# Altium PCB cheriot-test.PcbDoc (part 2 of 10) (continued)
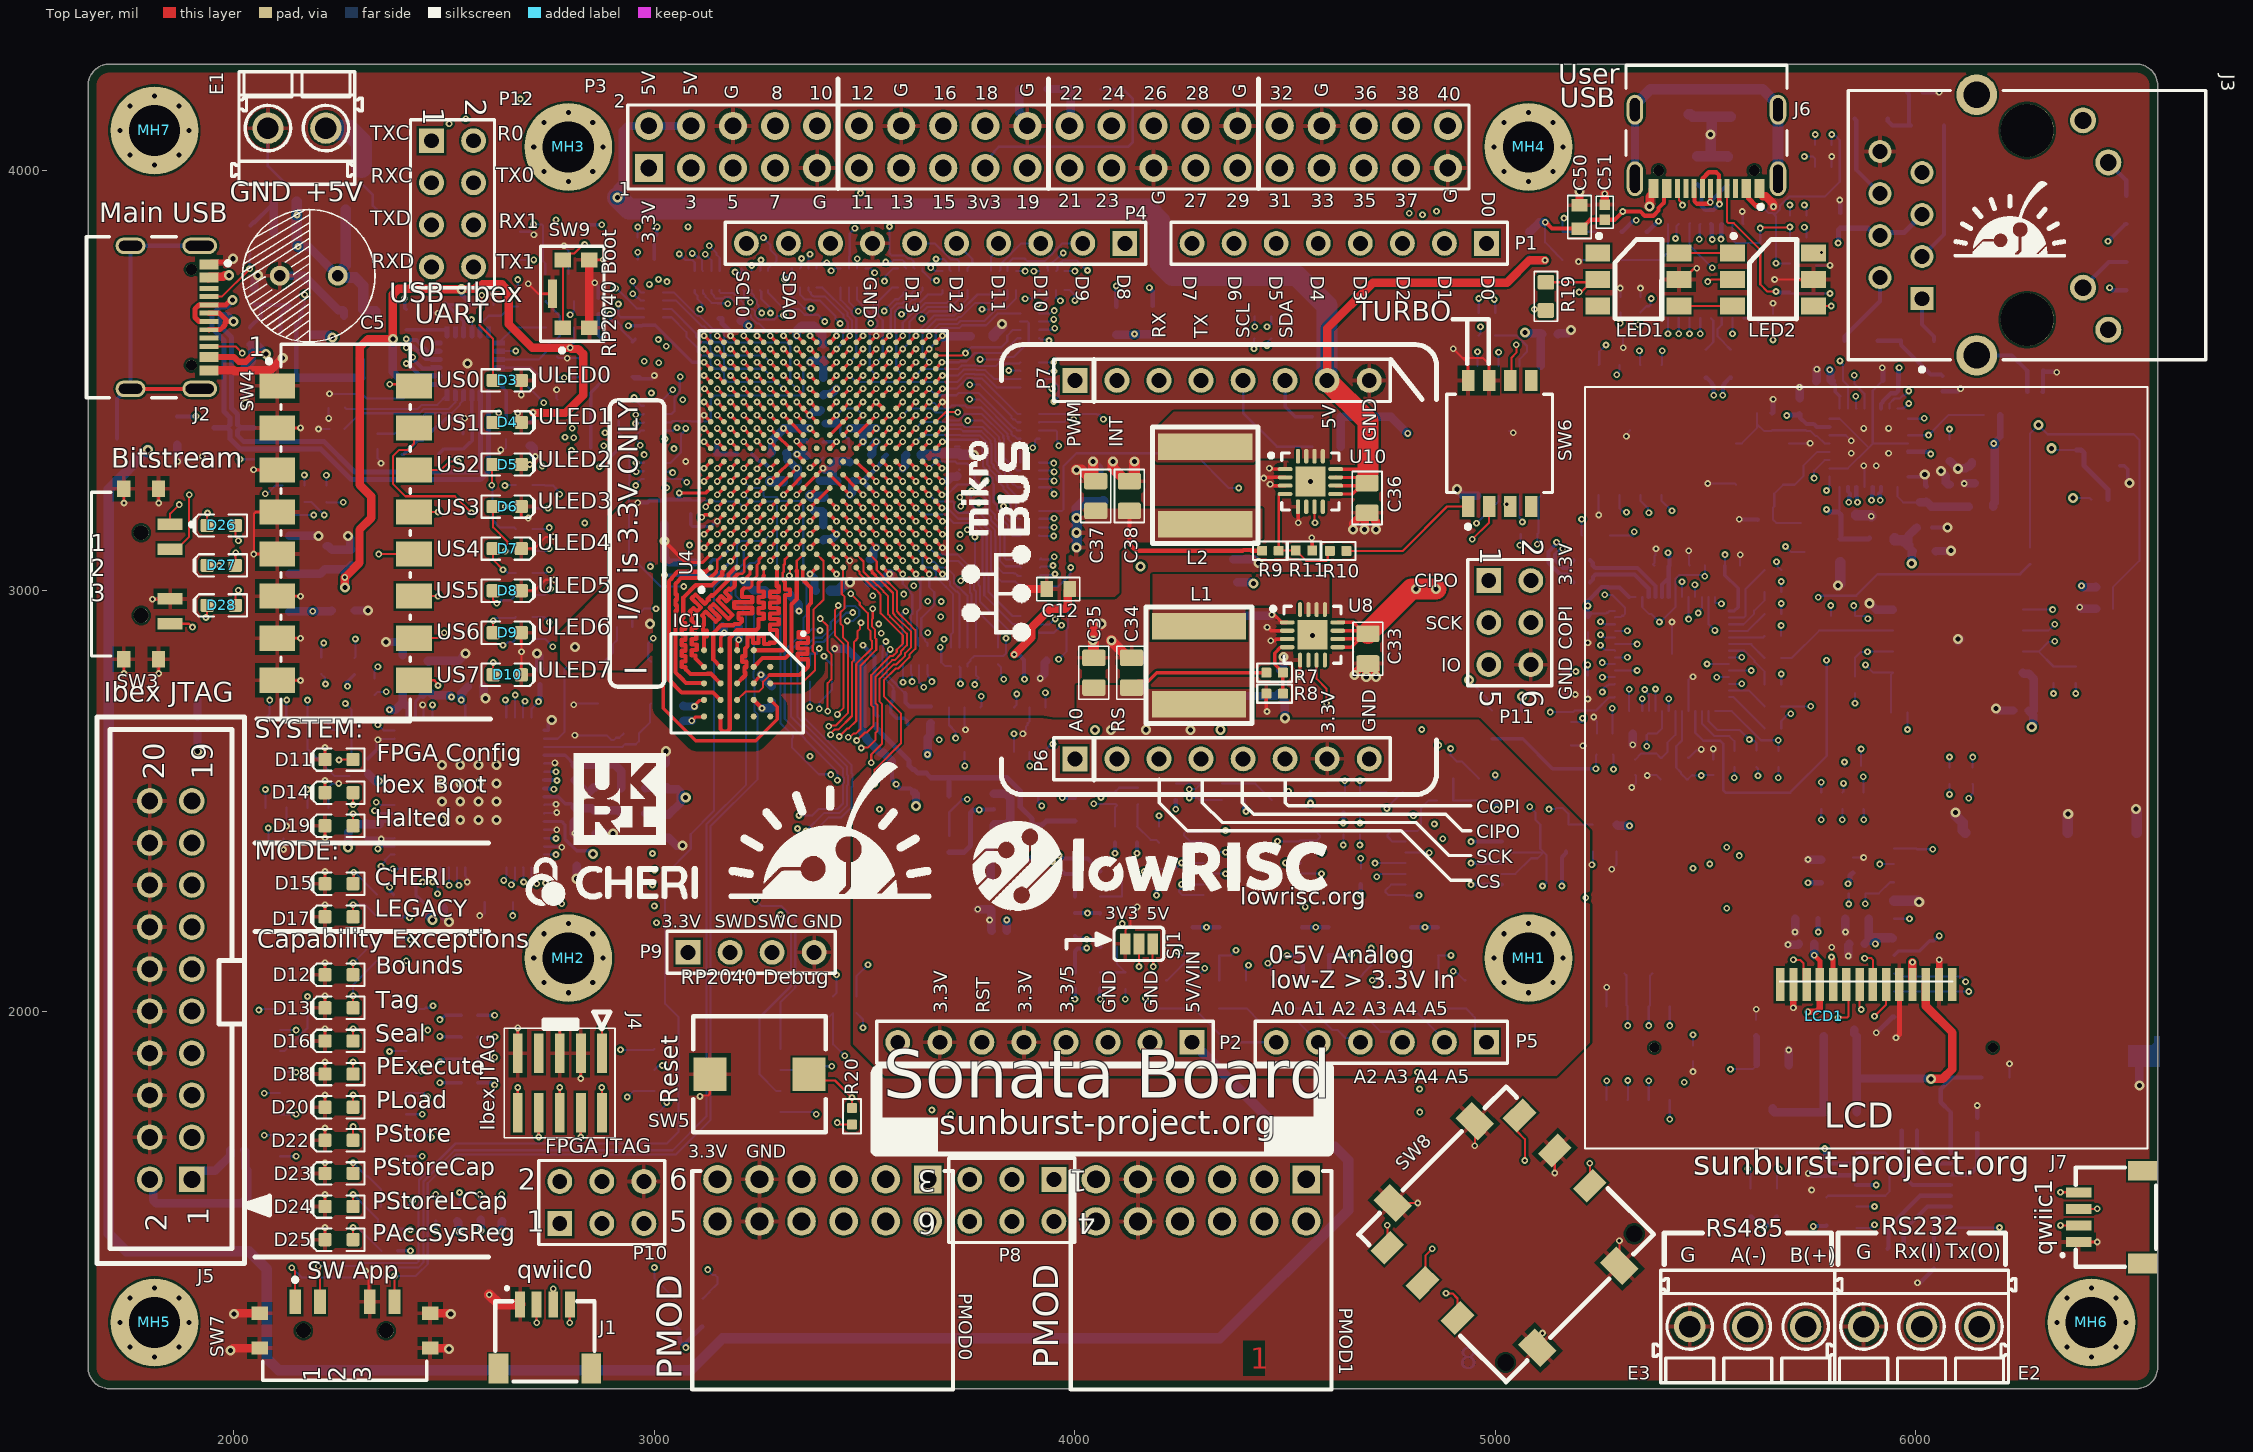
[diagram p0: Top Layer view]
## Part data (continued)
R31: library part RCHIP-1K5-0603, "1k5 res, 0603, 1%, 1/10W", Case-EIA=0603, Case-Metric=1608, Manufacture 1=Yageo, Manufacture Part Number 1=RC0603FR-071K5L, Rated Power=0.1W, Rated Voltage=75VDC, Supplier Part Number 1=311-1.50KHRCT-ND, Temperature Range="-55C to 155C", Tolerance=1%, Component Group=Resistor, Component Type=Standard, Mounting Technology=SMT, Part Number=RCHIP-1K5-0603, Pin Count=2, Supplier 1=Digi-Key
R33 R82: library part RCHIP-10R-0603, "10R res, 0603, 1%, 1/10W", Case-EIA=0603, Case-Metric=1608, Manufacture 1=Yageo, Manufacture Part Number 1=RC0603FR-0710RL, Rated Power=0.1W, Rated Voltage=75VDC, Supplier Part Number 1=311-10.0HRCT-ND, Temperature Range="-55C to 155C", Tolerance=1%, Component Group=Resistor, Component Type=Standard, Mounting Technology=SMT, Part Number=RCHIP-10R-0603, Pin Count=2, Supplier 1=Digi-Key
R37 R129: library part RCHIP-2K7-0402, "2k7 res, 0402, 1%, 1/16W", Case-EIA=0402, Case-Metric=1005, Manufacture 1=Yageo, Manufacture Part Number 1=RC0402FR-072K7L, Rated Power=0.063W, Rated Voltage=75VDC, Supplier Part Number 1=311-2.70KLRCT-ND, Temperature Range="-55C to 155C", Tolerance=1%, Component Group=Resistor, Component Type=Standard, Mounting Technology=SMT, Part Number=RCHIP-2K7-0402, Pin Count=2, Supplier 1=Digi-Key
R38 R42 R53 R80 R88 R95 R102 R109 R116 R138 R139 R140 R141 R142 R143 R144 R145 R146 R147 R148 R149 R150 R151 R152 R153 R154 R155 R156 R157 R158 R159 R192 R200 R201 R202 R210: library part RCHIP-1K-0402, "1k res, 0402, 1%, 1/16W", Case-EIA=0402, Case-Metric=1005, Manufacture 1=Yageo, Manufacture Part Number 1=RC0402FR-071KL, Rated Power=0.063W, Rated Voltage=75VDC, Supplier Part Number 1=311-1.00KLRCT-ND, Temperature Range="-55C to 155C", Tolerance=1%, Component Group=Resistor, Component Type=Standard, Mounting Technology=SMT, Part Number=RCHIP-1K-0402, Pin Count=2, Supplier 1=Digi-Key
R40: library part RCHIP-120R-0603, "120R res, 0603, 1%, 1/10W", Case-EIA=0603, Case-Metric=1608, Manufacture 1=Yageo, Manufacture Part Number 1=RC0603FR-07120RL, Rated Power=0.1W, Rated Voltage=75VDC, Supplier Part Number 1=311-120HRCT-ND, Temperature Range="-55C to 155C", Tolerance=1%, Component Group=Resistor, Component Type=Standard, Mounting Technology=SMT, Part Number=RCHIP-120R-0603, Pin Count=2, Supplier 1=Digi-Key
R43: library part RCHIP-12K-0603, "12k res, 0603, 1%, 1/10W", Case-EIA=0603, Case-Metric=1608, Manufacture 1=Yageo, Manufacture Part Number 1=RC0603FR-0712KL, Rated Power=0.1W, Rated Voltage=75VDC, Supplier Part Number 1=311-12.0KHRCT-ND, Temperature Range="-55C to 155C", Tolerance=1%, Component Group=Resistor, Component Type=Standard, Mounting Technology=SMT, Part Number=RCHIP-12K-0603, Pin Count=2, Supplier 1=Digi-Key
R47 R48 R49 R50 R51 R52 R55 R57 R59 R60 R61 R63 R65 R66 R68 R69 R70 R168 R169 R171 R186 R187: library part RCHIP-22R-0402, "22R res, 0402, 1%, 1/16W", Case-EIA=0402, Case-Metric=1005, Manufacture 1=Yageo, Manufacture Part Number 1=RC0402FR-0722RL, Rated Power=0.063W, Rated Voltage=75VDC, Supplier Part Number 1=311-22.0LRCT-ND, Temperature Range="-55C to 155C", Tolerance=1%, Component Group=Resistor, Component Type=Standard, Mounting Technology=SMT, Part Number=RCHIP-22R-0402, Pin Count=2, Supplier 1=Digi-Key
R56 R58: library part RCHIP-27R-0402, "27R res, 0402, 1%, 1/16W", Case-EIA=0402, Case-Metric=1005, Manufacture 1=Yageo, Manufacture Part Number 1=RC0402FR-0727RL, Rated Power=0.063W, Rated Voltage=75VDC, Supplier Part Number 1=YAG3086CT-ND, Temperature Range="-55C to 155C", Tolerance=1%, Component Group=Resistor, Component Type=Standard, Mounting Technology=SMT, Part Number=RCHIP-27R-0402, Pin Count=2, Supplier 1=Digi-Key
R73 R74 R193 R203: library part RCHIP-DNM-0402, Case-EIA=0402, Case-Metric=1005, Component Group=Resistor, Component Type=Standard, Part Number=RCHIP-DNM-0402, Pin Count=2
R76 R87 R94 R101 R108 R115: library part RCHIP-150K-0603, "150k res, 0603, 1%, 1/10W", Case-EIA=0603, Case-Metric=1608, Manufacture 1=Yageo, Manufacture Part Number 1=RC0603FR-07150KL, Rated Power=0.1W, Rated Voltage=75VDC, Supplier Part Number 1=311-150KHRCT-ND, Temperature Range="-55C to 155C", Tolerance=1%, Component Group=Resistor, Component Type=Standard, Mounting Technology=SMT, Part Number=RCHIP-150K-0603, Pin Count=2, Supplier 1=Digi-Key
R77 R83 R89 R97 R104 R111: library part RCHIP-1k-0603, "1k res, 0603, 1%, 1/10W", Case-EIA=0603, Case-Metric=1608, Manufacture 1=Yageo, Manufacture Part Number 1=RC0603FR-071KL, Part Number=RCHIP-1K-0603, Rated Power=0.1W, Rated Voltage=75VDC, Supplier Part Number 1=311-1.00KHRCT-ND, Temperature Range="-55C to 155C", Tolerance=1%, Component Group=Resistor, Component Type=Standard, Mounting Technology=SMT, Pin Count=2, Supplier 1=Digi-Key
R78 R85 R92 R99 R106 R113: library part RCHIP-2K-0402, "2k res, 0402, 1%, 1/16W", Case-EIA=0402, Case-Metric=1005, Manufacture 1=Yageo, Manufacture Part Number 1=RC0402FR-072KL, Rated Power=0.063W, Rated Voltage=75VDC, Supplier Part Number 1=311-2KLRCT-ND, Temperature Range="-55C to 155C", Tolerance=1%, Component Group=Resistor, Component Type=Standard, Mounting Technology=SMT, Part Number=RCHIP-2K-0402, Pin Count=2, Supplier 1=Digi-Key
R79 R86 R93 R100 R107 R114: library part RCHIP-180R-0402, "180R res, 0402, 1%, 1/16W", Case-EIA=0402, Case-Metric=1005, Manufacture 1=Yageo, Manufacture Part Number 1=RC0402FR-07180RL, Rated Power=0.063W, Rated Voltage=75VDC, Supplier Part Number 1=311-180LRCT-ND, Temperature Range="-55C to 155C", Tolerance=1%, Component Group=Resistor, Component Type=Standard, Mounting Technology=SMT, Part Number=RCHIP-180R-0402, Pin Count=2, Supplier 1=Digi-Key
R81 R90 R96 R103 R110 R117: library part RCHIP-845R-0402, "845R res, 0402, 1%, 1/16W", Case-EIA=0402, Case-Metric=1005, Manufacture 1=Yageo, Manufacture Part Number 1=RC0402FR-07845RL, Rated Power=0.063W, Rated Voltage=75VDC, Supplier Part Number 1=YAG3244CT-ND, Temperature Range="-55C to 155C", Tolerance=1%, Component Group=Resistor, Component Type=Standard, Mounting Technology=SMT, Part Number=RCHIP-845R-0402, Pin Count=2, Supplier 1=Digi-Key
R125 R126 R127 R128: library part RCHIP-2K2-0603, "2k2 res, 0603, 1%, 1/10W", Case-EIA=0603, Case-Metric=1608, Manufacture 1=Yageo, Manufacture Part Number 1=RC0603FR-072K2L, Rated Power=0.1W, Rated Voltage=75VDC, Supplier Part Number 1=311-2.20KHRCT-ND, Temperature Range="-55C to 155C", Tolerance=1%, Component Group=Resistor, Component Type=Standard, Mounting Technology=SMT, Part Number=RCHIP-2K2-0603, Pin Count=2, Supplier 1=Digi-Key
R130 R131 R132: library part RCHIP-75R-0805, "75R res, 0805, 1%, 1/8W", Case-EIA=0805, Manufacture 1=Yageo, Manufacture Part Number 1=RC0805FR-0775RL, Rated Power=0.125W, Rated Voltage=75VDC, Supplier Part Number 1=311-75.0CRCT-ND, Temperature Range="-55C to 155C", Tolerance=1%, Component Group=Resistor, Component Type=Standard, Mounting Technology=SMT, Part Number=RCHIP-75R-0805, Pin Count=2, Supplier 1=Digi-Key
R167: library part RCHIP-3K01-0402, "3k01 res, 0402, 1%, 1/16W", Case-EIA=0402, Case-Metric=1005, Manufacture 1=Yageo, Manufacture Part Number 1=RC0402FR-073K01L, Rated Power=0.063W, Rated Voltage=75VDC, Supplier Part Number 1=311-3.01KLRCT-ND, Temperature Range="-55C to 155C", Tolerance=1%, Component Group=Resistor, Component Type=Standard, Mounting Technology=SMT, Part Number=RCHIP-3K01-0402, Pin Count=2, Supplier 1=Digi-Key
R170 R172 R173 R174 R175 R176 R177 R178 R179 R180 R181 R182 R183 R184 R185 R188 R189 R190 R191 R194: library part 741C083330JP, "33-ohm, 0.5mm res array", Manufacture 1=CTS, Supplier Part Number 1=741C083330JPCT-ND, Component Group=Resistor, Component Type=Standard, Manufacture Part Number 1=741C083330JP, Mounting Technology=SMT, Part Number=741C083330JP, Pin Count=8, PP Material Stack=0, PP Rotation=0, PP Rotation1=0, Supplier 1=Digi-Key
R195: library part RCHIP-0R-0402, "2 ohm", Case-EIA=0402, Case-Metric=1005, Manufacture 1=Yageo, Manufacture Part Number 1=RC0402FR-070RL, Supplier Part Number 1=311-0.0LRCT-ND, Component Group=Resistor, Component Type=Standard, Part Number=RCHIP-0R-0402, Pin Count=2, Supplier 1=Digi-Key
R196 R197 R198 R204: library part RCHIP-49R9-0805, "49r9 res, 0805, 1%, 1/8W", Case-EIA=0805, Case-Metric=2012, Manufacture 1=Yageo, Manufacture Part Number 1=RC0805FR-0749R9L, Rated Power=0.125W, Rated Voltage=75VDC, Supplier Part Number 1=311-49.9CRCT-ND, Temperature Range="-55C to 155C", Tolerance=1%, Component Group=Resistor, Component Type=Standard, Mounting Technology=SMT, Part Number=RCHIP-49R9-0805, Pin Count=2, RoHS=Yes, Supplier 1=Digi-Key
R206 R207: library part RCHIP-1K8-0603, "1k8 res, 0603, 1%, 1/10W", Case-EIA=0603, Case-Metric=1608, Manufacture 1=Yageo, Manufacture Part Number 1=RC0603FR-071K8L, Rated Power=0.1W, Rated Voltage=75VDC, Supplier Part Number 1=311-1.80KHRCT-ND, Temperature Range="-55C to 155C", Tolerance=1%, Component Group=Resistor, Component Type=Standard, Mounting Technology=SMT, Part Number=RCHIP-1K8-0603, Pin Count=2, Supplier 1=Digi-Key
R212: library part RCHIP-10K-0603, "10k res, 0603, 1%, 1/10W", Case-EIA=0603, Case-Metric=1608, Manufacture 1=Yageo, Manufacture Part Number 1=RC0603FR-0710KL, Rated Power=0.1W, Rated Voltage=75VDC, Supplier Part Number 1=311-10.0KHRCT-ND, Temperature Range="-55C to 155C", Tolerance=1%, Component Group=Resistor, Component Type=Standard, Mounting Technology=SMT, Part Number=RCHIP-10K-0603, Pin Count=2, Supplier 1=Digi-Key
SD1: library part CMP-2000-05150-1, "Micro SD Card Connector, 0.5 A, 125 V, -25 to 85 degC, 8-Pin SMD, RoHS, Tape and Reel", Manufacturer="Hirose Electric", Package Description="8-Pin Surface Mount Device, Body 16.15 x 13.85 mm, Pitch 1.1 mm", Package Reference=DM3AT-8, Standard Package=1, Card Type=SecureDigital-microSD™, Category=Connectors,Interconnects, Connector Type=ConnectorandEjector, Contact Finish=Gold, Contact Finish Thickness=-, Datasheet URL=https://ciiva.com/datasheet-click-46418261?src=ciiva&sig=4019062a, Datasheet Version=Jun-10, Ejector Side=-, Family=MemoryConnectors-PCCardSockets, Featured Product=DM3ATSeries, Features=Switch, Height Above Board="0.066\"(1.68mm)", HTML Datasheet=DM3SeriesmicroSD.html, Insertion, Removal Method=PushIn,PushOut, Manufacturer URL=https://www.hirose.com, Mounting Feature=Normal,Standard-Top, Mounting Type=SurfaceMount,RightAngle, Number of Positions=10(8+2), Online Catalog=DM3Series, Other Names=HR1964DKR, Package URL=https://www.hirose.com/product/en/download_file/key_name/DM3/category/Catalog/doc_file_id/49662/?file_category_id=4&item_id=195&is_series=1, Packaging=Digi-Reel, Product Training Modules=DM3SeriesmicroSDCardSockets, Series=DM3
SJ1: library part SJ_3S_12JMP, "Solder Jumper, NC", Component Group="PCB Feature", Component Type="Standard (No BOM)", Mounting Technology=COPPER, Part Number=SJ_3S_12JMP, Pin Count=3
SJ2: library part SJ_2S_NO, "Solder Jumper, NO", Component Group="PCB Feature", Component Type="Standard (No BOM)", Mounting Technology=COPPER, Part Number=SJ_2S_NO, Pin Count=2
SW1 SW6: library part CMP-07018-000008-1, "SWITCH SLIDE DIP SPST 25MA 24V", Current Rating=25mA, Max Operating Temperature=85°C, Max Voltage Rating (DC)=24V, Min Operating Temperature=-55°C, Package Quantity=2000, Actuator Type="Slide (Standard)", Contact Material=Copper, Contact Plating=Gold, Depth=8.44mm, Electrical Life=1000Cycles, Lead Free="Lead Free", Length=0.246inch, Max Current Rating=25mA, Mechanical Life=1000Cycles, Mount="Surface Mount", Number of Positions=4, Orientation=Straight, Packaging="Tape and Reel", Pitch=0.05inch, Radiation Hardening=No, RoHS Compliant=Yes, Series=218, Termination="Gull Wing", Throw Configuration=SPST, Voltage Rating (DC)=24V, Washable=Yes
SW2: library part CMP-07018-000007-1, "SWITCH SLIDE DIP SPST 25MA 24V", Contact Resistance=100mR, Current Rating=25mA, Max Operating Temperature=85°C, Max Voltage Rating (DC)=24V, Min Operating Temperature=-55°C, Package Quantity=40, Actuator Type="Slide (Standard)", Contact Material=Copper, Contact Plating=Gold, Depth=8.44mm, Electrical Life=1000Cycles, Height=2.65mm, Lead Free="Lead Free", Length=0.446inch, Max Current Rating=25mA, Mount="Surface Mount", Number of Positions=8, Orientation=Straight, Packaging=Rail/Tube, Pitch=0.05inch, Radiation Hardening=No, RoHS Compliant=Yes, Series=218, Terminal Pitch=1.27mm, Termination="Gull Wing", Throw Configuration=SPST, Voltage Rating (DC)=24V, Washable=Yes
SW3 SW7: library part CMP-71745-000014-1, "SWITCH SLIDE SP3T 300MA 4V", Current Rating=300mA, Max Operating Temperature=70°C, Max Voltage Rating (DC)=20V, Min Operating Temperature=-20°C, Voltage Rating (DC)=4V, Actuator Length=1.5mm, Actuator Material=Nylon, Actuator Type=Standard, Contact Material="Copper Alloy", Contact Plating=Gold, Contact Style=Non-Shorting, Electrical Life=10000Cycles, Mount="Surface Mount", Orientation="Right Angle", Packaging="Tape and Reel", Radiation Hardening=No, RoHS Compliant=Yes, Series=CUS, Switch Function=On-On-On, Switch Travel=1.5mm, Termination="Gull Wing", Throw Configuration=SP3T
SW4: library part CMP-03400-000015-1, "SWITCH SLIDE DIP SPST 100MA 24V", Contact Current Rating=100mA, Contact Resistance=50mΩ, Current Rating=1A, Manufacturer="TE Connectivity", Package=0, Temperature="-30°C to +85°C", Temperature Range High=+85°C, Temperature Range Low=-30°C, Voltage Rating Dc=24V, Automotive=No, Category=Switch, ComponentLink2Description=Datasheet, ComponentLink2URL=https://www.te.com/commerce/DocumentDelivery/DDEController?Action=showdoc&DocId=Customer+Drawing%7F1825058%7FS5%7Fpdf%7FEnglish%7FENG_CD_1825058_S5.pdf%7F1-1825058-9, Device Class L1=Electromechanical, Device Class L2=Switches, Device Class L3="DIP Switches", Digikey Description="SWITCH SLIDE DIP SPST 100MA 24V", Electromechanical Life=1000Cycles, Height=5.1mm, Lead Free=Yes, Manufacturer Part Number=1-1825058-9, Mount="Surface Mount", Number Of Circuits=8, Octopart=https://octopart.com/1-1825058-9-te+connectivity-46507285, RoHS=TRUE, Throw Configuration=SPST
SW5: "Pushbutton, SMD, 2.5NM force, NO", Manufacture 1=Panasonic, Supplier Part Number 1=P16856CT-ND, Component Group=Switch, Component Type=Standard, Manufacture Part Number 1=EVP-ASDC1A, Mounting Technology=SMT, Part Number=EVP-ASDC1A, Pin Count=2, Supplier 1=Digi-Key
SW8: "5-Way Joystick", Manufacture 1=TE, Component Group=Switch, Component Type=Standard, Manufacture Part Number 1=2425755-1, Part Number=2425755-1, Pin Count=10, PP Material Stack=0, PP Rotation=0, PP Rotation1=0, Supplier 1=Digi-Key
SW9: library part CMP-10040-000023-1, "SWITCH TACTILE SPST-NO 0.05A 32V", Contact Current Rating=50mA, Max Operating Temperature=85°C, Max Voltage Rating (DC)=32V, Min Operating Temperature=-40°C, Operating Force=1.2N, Package Quantity=1, Power Rating=1W, Actuator Length=0.5mm, Actuator Type=Standard, Contact Material=Silver, Contact Plating=Silver, Current Rating=50mA, Depth=4.6mm, Illumination Type=Non-Illuminated, Lead Free="Lead Free", Length=2.8mm, Max Current Rating=50mA, Mechanical Life=200000Cycles, Mount="Surface Mount", Orientation=Straight, Packaging="Tape and Reel", Radiation Hardening=No, REACH SVHC="No SVHC", Switch Function=Off-Mom, Switch Travel=0.2mm, Termination="Gull Wing", Throw Configuration=SPST, Voltage Rating (DC)=32V, Width=2.8mm
U1: "USB 2.0 high-speed ESD", Supplier Part Number 1=568-7445-1-ND, Component Group=Diode, Component Type=Standard, Part Number=PRTR5V0U2AX, Pin Count=4, Supplier 1=Digi-Key
U2: "IC REG LIN POS 3.3V 800MA SOT223", Manufacture 1=STMicroelectronics, Manufacture Part Number 1=LD1117S33TR, Rated Voltage=15V, Supplier Part Number 1=497-1242-1-ND, Component Group="Analog IC", Component Type=Standard, Mounting Technology=SMT, Part Number=LD1117S33, Pin Count=3, PP Material Stack=0, PP Rotation=0, RoHS=Yes, Supplier 1=Digi-Key
U3: library part ISL83485I, "IC TXRX RS422/RS485", Manufacture 1=Renesas, Supplier Part Number 1=ISL83485IBZ-TCT-ND, Component Group="Digital IC", Component Type=Standard, Manufacture Part Number 1=ISL83485IBZ-T, Mounting Technology=SMT, Part Number=ISL83485I, Pin Count=8, RoHS=Yes, Supplier 1=Digi-Key
U4: library part CMP-0383-00012-1, "Artix-7 FPGA, 210 User I/Os, 0 GTP, 324-Ball BGA, Speed Grade 1, Commercial Grade, Pb-Free", Manufacturer=Xilinx, Operating Temperature Range=Commercial, Available User I/O=210, CMTs=5, ComponentLink1Description="Manufacturer URL", ComponentLink1URL=http://www.xilinx.com/, ComponentLink2Description=Datasheet, ComponentLink2URL=http://www.xilinx.com/support/documentation/data_sheets/ds180_7Series_Overview.pdf, ComponentLink3Description=Pinout, ComponentLink3URL=http://www.xilinx.com/support/documentation/user_guides/ug475_7Series_Pkg_Pinout.pdf, ComponentLink4Description="Package Specification", ComponentLink4URL=http://www.xilinx.com/support/documentation/user_guides/ug475_7Series_Pkg_Pinout.pdf, DatasheetVersion="Rev. 1.15", GTP=0, Logic Cells=33280, Maximum Distributed RAM="400 Kb", Mounting Technology="Surface Mount", PackageDescription="324-Ball Wire-Bond Chip-Scale BGA, Body 15 x 15 mm, Pitch 0.8 mm", PackageReference=CSG-324, PackageVersion="Rev. 1.11", PartNumber=XC7A35T-1CSG324C, Speed Grades=1, Total Block RAM="1800 Kb"
U5: library part CMP-0078-00002-3, "Quad High Speed USB To Multipurpose UART/MPSSE IC, 64-pin QFN, Tray", Manufacturer=FTDI, ComponentLink1Description="Manufacturer URL", ComponentLink1URL=http://www.ftdichip.com/, ComponentLink2Description=Datasheet, ComponentLink2URL=http://www.ftdichip.com/Support/Documents/DataSheets/ICs/DS_FT4232H.pdf, DatasheetVersion="ver 2.2, Jan-2012", PackageDescription="64-Pin Quad Flat No-Lead, 9 x 9 mm Body, 0.5 mm Pitch, 4.35 x 4.35 mm Exposed Pad", PackageReference=QFN64_2, PackageVersion=Jan-12, PartNumber=FT4232HQ-Tray, RevisionNote="DatasheetVersion updated to 2.2 Jan-2012"
U6: library part CMP-2000-06522-2, "IC ETHERNET CTLR 1PORT PCI 32MLF", Case/Package=QFN, Max Operating Temperature=85°C, Max Supply Current=85mA, Max Supply Voltage=3.5V, Min Operating Temperature=-40°C, Min Supply Voltage=3.1V, Nominal Supply Current=75mA, Operating Supply Voltage=3.3V, Package Quantity=1000, Data Rate=100Mbps, Height=0.85mm, Interface=SPI, Lead Free="Lead Free", Length=5mm, Mount="Surface Mount", Number of Functions=1, Number of Pins=32, Number of Ports=1, Number of Transceivers=1, Packaging="Tape and Reel", Radiation Hardening=No, REACH SVHC="No SVHC", Series=-, Supply Current=75mA, Supply Voltage-Nom=3.3V, Width=5mm
U7: library part CMP-0299-01761-2, "3-V to 5.5-V Single-Channel RS-232 Line Driver / Receiver with ±15-kV ESD Protection, -40 to 85 degC, 16-Pin TSSOP (PW), Green (RoHS & no Sb/Br)", Drivers Per Package=1, Supply Voltage(s)(V)="3.3 or 5.0", ComponentLink1Description="Manufacturer URL", ComponentLink1URL=www.ti.com, ComponentLink2Description=Datasheet, ComponentLink2URL=http://www.ti.com/general/docs/lit/getliterature.tsp?genericPartNumber=MAX3221&fileType=pdf, ComponentLink3Description="Package Specification", ComponentLink3URL=http://www.ti.com/litv/pdf/mpds361, DatasheetVersion=SLLS348M, ESD HBM(kV)=+/-15, ICC(Max)(mA)=1, PackageDescription="16-Pin Plastic Thin Small Outline Package 5 x 4.4 mm Body ,0.65 mm Pitch", PackageReference=PW0016A, PackageVersion="revG, Feb-2011", Receivers Per Package=1, RS-232=TRUE, Single Supply=TRUE, SubFamily=RS-232
U8 U10: "Switching supply controller, 2A", Manufacture 1=Richtek, Component Group="Analog IC", Component Type=Standard, Manufacture Part Number 1=RT8058, Part Number=RT8058, Pin Count=17, PP Material Stack=0, PP Rotation=0
U9: "IC REG LIN POS 1.8V 800MA SOT223", Manufacture 1=STMicroelectronics, Manufacture Part Number 1=LD1117S18TR, Rated Voltage=15V, Supplier Part Number 1=497-7308-1-ND, Component Group="Analog IC", Component Type=Standard, Mounting Technology=SMT, Part Number=LD1117S18, Pin Count=3, PP Material Stack=0, PP Rotation=0, RoHS=Yes, Supplier 1=Digi-Key
U11: "Connector", Manufacturer_Name=RASPBERRY-PI, Manufacturer_Part_Number=SC0914(7), Mouser Part Number=358-SC09147, Datasheet Link=https://www.mouser.com/datasheet/2/635/rp2040_datasheet-3048960.pdf, Height=0.9mm, Mouser Price/Stock=https://www.mouser.co.uk/ProductDetail/Raspberry-Pi/SC09147?qs=T%252BzbugeAwjhSpdbCB4ve%252Bg%3D%3D
U12: library part CMP-06284-000010-1, "IC HUB CTLR USB 2.0 24QFN", Ambient Temperature Range High=+85°C, Ambient Temperature Range Low=-40°C, Manufacturer=Microchip, Max Supply Voltage=3.6V, Min Supply Voltage=3V, Nominal Supply Current=29-70mA, Package=24-S4QFN-4x4B-0.5P, Temperature="-40°C to +85°C", Automotive=No, Category=IC, ComponentLink2Description=Datasheet, ComponentLink2URL=http://ww1.microchip.com/downloads/en/DeviceDoc/00001726B.pdf, Device Class L1="Integrated Circuits (ICs)", Device Class L2="Interface ICs", Device Class L3="USB Interface ICs", Digikey Description="IC HUB CTLR USB 2.0 24QFN", Height=1mm, Interface=I2C,USB,SMBus, Ipc Land Pattern Name=QFN50P400X400X90-24, Lead Free=Yes, Manufacturer Part Number=USB2422-I/MJ, Mouser Description="Microchip USB2422-I/MJ; USB Controller; USB 2.0; 3 - 3.6 V; 24-Pin SQFN", Number of Ports=2, Octopart=https://octopart.com/usb2422-i%2Fmj-microchip-29030614, RoHS=TRUE, Standoff Height=0mm, Temperature Range High=+85°C, Temperature Range Low=-40°C, Usb Standard="USB 2.0"
U13: library part CMP-0309-00090-2, "Advanced USB Transciever, Full Speed, Differential, +/-15 KV, -40 to 85 degC, 16-Pin TSSOP (PW), Green (RoHS & no Sb/Br)", Manufacturer="Texas Instruments", Code_JEDEC=MO-153, ComponentLink1Description=Datasheet, ComponentLink1URL=http://www.ti.com/general/docs/lit/getliterature.tsp?genericPartNumber=TUSB1106&fileType=pdf, ComponentLink2Description="Package Specification", ComponentLink2URL=http://www.ti.com/lit/ml/mpds361/mpds361.pdf, DatasheetVersion=SCAS818E, Eco-Plan="Green (RoHS & no Sb/Br)", ESD HBM(kV)=+/-15, Mounting Technology="Surface Mount", PackageDescription="16-Pin Plastic Thin Small Outline Package 5 x 4.4 mm Body ,0.65 mm Pitch", PackageReference=PW0016A, PackageVersion="revG, Feb-2011", PartNumber=TUSB1106PWR, SubFamily="USB Transceiver", USB Speed=Full
U14: "IC VREF SERIES 0.2% SOT23-3", Case/Package=SOT-23, Manufacture 1="Texas Instruments", Max Input Voltage=5.5V, Max Operating Temperature=125°C, Max Output Current=25mA, Max Output Voltage=1.25V, Max Supply Current=50uA, Min Input Voltage=1.8V, Min Operating Temperature=-40°C, Min Output Voltage=1.248V, Nominal Supply Current=42uA, Package Quantity=1, Supplier Part Number 1=REF3012AIDBZTTR-ND, Temperature Coefficient=50ppm/°C, Category="Voltage References", Component Group="Analog IC", Component Type=Standard, ComponentLink3Description=https://datasheet.ciiva.com/2007/ref3012-2007154.pdf?src-supplier=Digi-Key, ComponentLink3URL=https://datasheet.ciiva.com/2007/ref3012-2007154.pdf?src-supplier=Digi-Key, ComponentLink4Description=https://datasheet.ciiva.com/2007/ref3012-2007155.pdf?src-supplier=Digi-Key, ComponentLink4URL=https://datasheet.ciiva.com/2007/ref3012-2007155.pdf?src-supplier=Digi-Key, ComponentLink5Description=https://datasheet.ciiva.com/3235/ref3033-3235533.pdf?src-supplier=Avnet, ComponentLink5URL=https://datasheet.ciiva.com/3235/ref3033-3235533.pdf?src-supplier=Avnet, ComponentLink6Description=https://datasheet.ciiva.com/3235/ref3033-3235534.pdf?src-supplier=Avnet, ComponentLink6URL=https://datasheet.ciiva.com/3235/ref3033-3235534.pdf?src-supplier=Avnet, Height=1mm, Lead Free="Lead Free", Length=2.92mm, Manufacture Part Number 1=REF3012AIDBZT, Manufacturer Part Number=REF3012AIDBZT, Mounting Technology=SMT, Number of Channels=1, Number of Pins=3, Output Current=25mA, Output Voltage=1.25V, Packaging="Tape and Reel", Part Number=REF3012AIDBZT, Pin Count=3, PP Material Stack=0, PP Rotation=0, Pricing 1="1=1.18000, 10=1.05300, 25=0.99960, 100=0.76760 (USD)", Quiescent Current=50uA, Radiation Hardening=No, REACH SVHC="No SVHC", Reference Type=Series,Fixed, Reference Voltage=1.25V, RoHS=Yes, Stock 1=7831, Supplier 1=Digi-Key, Termination=SMD/SMT, Width=1.3mm
U15: library part ADP123AUJZ-R7, "IC REG LIN POS ADJ 300MA TSOT5", Case/Package=TSOT, Dropout Voltage=85mV, Manufacture 1="Analog Devices Inc.", Max Input Voltage=5.5V, Max Operating Temperature=125°C, Max Output Current=300mA, Max Output Voltage=5V, Max Supply Current=170uA, Min Current Limit=350mA, Min Input Voltage=2.3V, Min Operating Temperature=-40°C, Min Output Voltage=800mV, Nominal Supply Current=45uA, Output Voltage Accuracy=1%, Power Supply Rejection Ratio (PSRR)=60dB, Reference Voltage=500mV, Supplier Part Number 1=ADP123AUJZ-R7TR-ND, Accuracy=1%, Category="Voltage Regulators - Linear", Component Group="Analog IC", Component Type=Standard, ComponentLink3Description=https://datasheet.ciiva.com/2040/adp122-123-2040698.pdf?src-supplier=Digi-Key, ComponentLink3URL=https://datasheet.ciiva.com/2040/adp122-123-2040698.pdf?src-supplier=Digi-Key, ComponentLink4Description=https://datasheet.ciiva.com/2040/adp122-123-2040699.pdf?src-supplier=Digi-Key, ComponentLink4URL=https://datasheet.ciiva.com/2040/adp122-123-2040699.pdf?src-supplier=Digi-Key, Contact Plating=Tin,Matte, Height=0.9mm, Lead Free="Contains Lead", Length=2.9mm, Manufacture Part Number 1=ADP123AUJZ-R7, Manufacturer Part Number=ADP123AUJZ-R7, Mounting Technology=SMT, Number Of Outputs=1, Number of Pins=5, Number of Regulators=1, Operating Supply Current=45uA, Output Current=300mA, Output Type=Adjustable, Output Voltage=5V, Packaging="Tape and Reel", Part Number=ADP123AUJZ-R7, Pin Count=5, Polarity=Positive, PP Material Stack=0, PP Rotation=0, Pricing 1="1=1.16000, 10=1.03300, 25=0.98000, 100=0.75250, 250=0.66500, 500=0.63000, 1000=0.49000 (USD)", Quiescent Current=45uA, REACH SVHC="No SVHC", Stock 1=14167, Supplier 1=Digi-Key, Width=1.6mm
U16: library part CMP-06313-000016-1, "IC EEPROM 1K SPI 2MHZ 8SOIC", Frequency=2MHz, Manufacturer=Microchip, Max Supply Voltage=5.5V, Min Supply Voltage=1.8V, Nominal Supply Current=0.5mA, Package=C04-057-SN, Temperature="-40°C to +85°C", Temperature Range High=+85°C, Temperature Range Low=-40°C, Access Time=1000ns, Automotive=No, Category=IC, ComponentLink2Description=Datasheet, ComponentLink2URL=http://ww1.microchip.com/downloads/en/DeviceDoc/20006224B.pdf, Device Class L1="Integrated Circuits (ICs)", Device Class L2=Memory, Device Class L3=EEPROM, Digikey Description="IC EEPROM 1K SPI 2MHZ 8SOIC", Height=1.75mm, Interface=Other, Ipc Land Pattern Name=SOIC127P600X175-8, Lead Free=Yes, Manufacturer Part Number=AT93C46DN-SH-T, Memory Size=1Kbits, Memory Type=EEPROM, Mouser Description="EEPROM Serial-3Wire 1K-Bit 128 x 8/64 x 16 2.5V/3.3V/5V 8-Pin SOIC T/R", Octopart=https://octopart.com/at93c46dn-sh-t-microchip-77759177, RoHS=TRUE, Standoff Height=0.1mm
U17 U19: library part MT25QL256ABA1EW9-0SIT, "IC FLASH 256M SPI 133MHZ 8WPDFN", Manufacture 1=Winbond, Component Group="Digital IC", Component Type=Standard, Manufacture Part Number 1=W25Q256JVEIQ, Mounting Technology=SMT, Part Number=W25Q256JVEIQ, Pin Count=9, PP Material Stack=0, PP Rotation=0, PP Rotation1=0, RoHS=Yes, Supplier 1=Digi-Key
U18: library part MT25QL256ABA1EW9-0SIT, "IC FLASH 64M SPI 133MHZ 8WPDFN", Manufacture 1=Winbond, Component Group="Digital IC", Component Type=Standard, Manufacture Part Number 1=W25Q64JVZEIQ, Mounting Technology=SMT, Part Number=W25Q64JVZEIQ, Pin Count=9, PP Material Stack=0, PP Rotation=0, PP Rotation1=0, RoHS=Yes, Supplier 1=Digi-Key
U20 U21: library part CMP-0187-00805-2, "None", Case/Package=TSSOP, Input Bias Current=100pA, Input Offset Voltage (Vos)=4.5mV, Max Operating Temperature=125°C, Max Supply Voltage=6V, Min Operating Temperature=-40°C, Min Supply Voltage=1.8V, Nominal Supply Current=45uA, Output Current=15mA, Power Supply Rejection Ratio (PSRR)=63dB, Voltage Gain=110dB, Amplifier Type="GENERAL PURPOSE", Common Mode Rejection Ratio=56dB, Gain Bandwidth Product=1MHz, Lead Free="Lead Free", Mount="Surface Mount", Number of Channels=4, Number Of Circuits=4, Number of Elements=4, Number of Pins=14, Packaging="Tape and Reel", RoHS Compliant=Yes, Slew Rate=0.5V/µs, Supply Current=45uA, Technology=CMOS, Unity Gain Bandwidth Product=1MHz
U22 U23: library part TVS_4IO_3v3, "TVS DIODE 3.3V 6V SOT23-6L", Manufacture 1="Wurth Electronics Inc.", Manufacture Part Number 1=824013, Supplier Part Number 1=732-4466-1-ND, Component Group="Analog IC", Component Type=Standard, Mounting Technology=SMT, Part Number=TVS_4IO_3v3, Pin Count=6, PP Material Stack=0, PP Rotation=0, RoHS=Yes, Supplier 1=Digi-Key
X1: "CRYSTAL 24.0000MHZ 10PF SMD", Manufacture 1="Abracon LLC", Supplier Part Number 1=535-10913-1-ND, Component Group=Crystal, Component Type=Standard, Manufacture Part Number 1=ABM8G-24.000MHZ-4Y-T3, Part Number=ABM8G-24.000MHZ-4Y-T3, Pin Count=4, Supplier 1=Digi-Key
X2: "12MHz, SMD", Manufacture 1="Abracon LLC", Supplier Part Number 1=535-13360-1-ND, Component Group=Crystal, Component Type=Standard, Manufacture Part Number 1=ABM10AIG-12.000MHZ-4Z-T3, Mounting Technology=SMT, Part Number=ABM10AIG-12.000MHZ-4Z-T3, Pin Count=4, PP Material Stack=0, PP Rotation=0, Supplier 1=Digi-Key
Y1: "12MHz ±25ppm Crystal 16pF 35 Ohms 4-SMD, No Lead", Manufacture 1="Raltron Electronics", Supplier Part Number 1=2151-H130B-12.000-16-2525-EXT-TR-ND, Component Group=Crystal, Component Type=Standard, Manufacture Part Number 1=H130B-12.000-16-2525-EXT-TR, Manufacturer Part Number=H130B-12.000-16-2525-EXT-TR, Mounting Technology=SMT, Part Number=H130B-12.000-16-2525-EXT-TR, Pin Count=4, PP Material Stack=0, PP Rotation=0, Pricing 1="1=0.590000, 10=0.488000, 50=0.439400, 100=0.390600, 500=0.371100 (USD)", Stock 1=4955, Supplier 1=Digi-Key
Y2: library part CMP-2000-05795-3, "XTAL Oscillator 25MHz ±50ppm CMOS 3.3V 4-SMD 3.2mm x 2.5mm", Case/Package=SMD/SMT, Frequency=25MHz, Frequency Stability=50ppm, Load Capacitance=15pF, Max Operating Temperature=85°C, Max Supply Current=13mA, Max Supply Voltage=3.465V, Min Operating Temperature=-40°C, Min Supply Voltage=3.135V, Operating Frequency="25 MHz", Operating Supply Voltage=3.3V, Package Quantity=1000, Depth=2.5mm, Height=0.047inch, Lead Free="Lead Free", Length=3.2mm, Mount="Surface Mount", Number of Pins=4, Packaging="Tape and Reel", Radiation Hardening=No, Series=ASE, Termination=SMD/SMT, Width=2.5mm
Y3: "12MHz ±25ppm Crystal 16pF 35 Ohms 4-SMD, No Lead", Manufacture 1="Raltron Electronics", Manufacture Part Number 1=H130B-25.000-18-1030-EXT-TR, Supplier Part Number 1=2151-H130B-12.000-16-2525-EXT-TR-ND, Component Group=Crystal, Component Type=Standard, Manufacturer Part Number=H130B-25.000-18-1030-EXT-TR, Mounting Technology=SMT, Part Number=H130B-25.000-18-1030-EXT-TR, Pin Count=4, PP Material Stack=0, PP Rotation=0, Pricing 1="1=0.590000, 10=0.488000, 50=0.439400, 100=0.390600, 500=0.371100 (USD)", Stock 1=4955, Supplier 1=Digi-Key